# Altium PCB PCB1.PcbDoc (part 3 of 4)
Units mil, origin at the board's own origin, x right, y up, seen from the top; angles counter-clockwise.
Board outline 7874.02 x 4566.93 mil, 9 copper layers (HIGH_SPEED_TOP, GND PLANE1, LOW_SPEED, POWER_PLANE1, POWER_PLANE2, SIGNAL, Mid-Layer 11, GND_PLANE3, HIGH_SPEED_BOT), stack 76.99 mil thick; 510 components, 416 nets, 2438 pads, 24 vias.
Unrouted connection lines stored in the file: 1542.
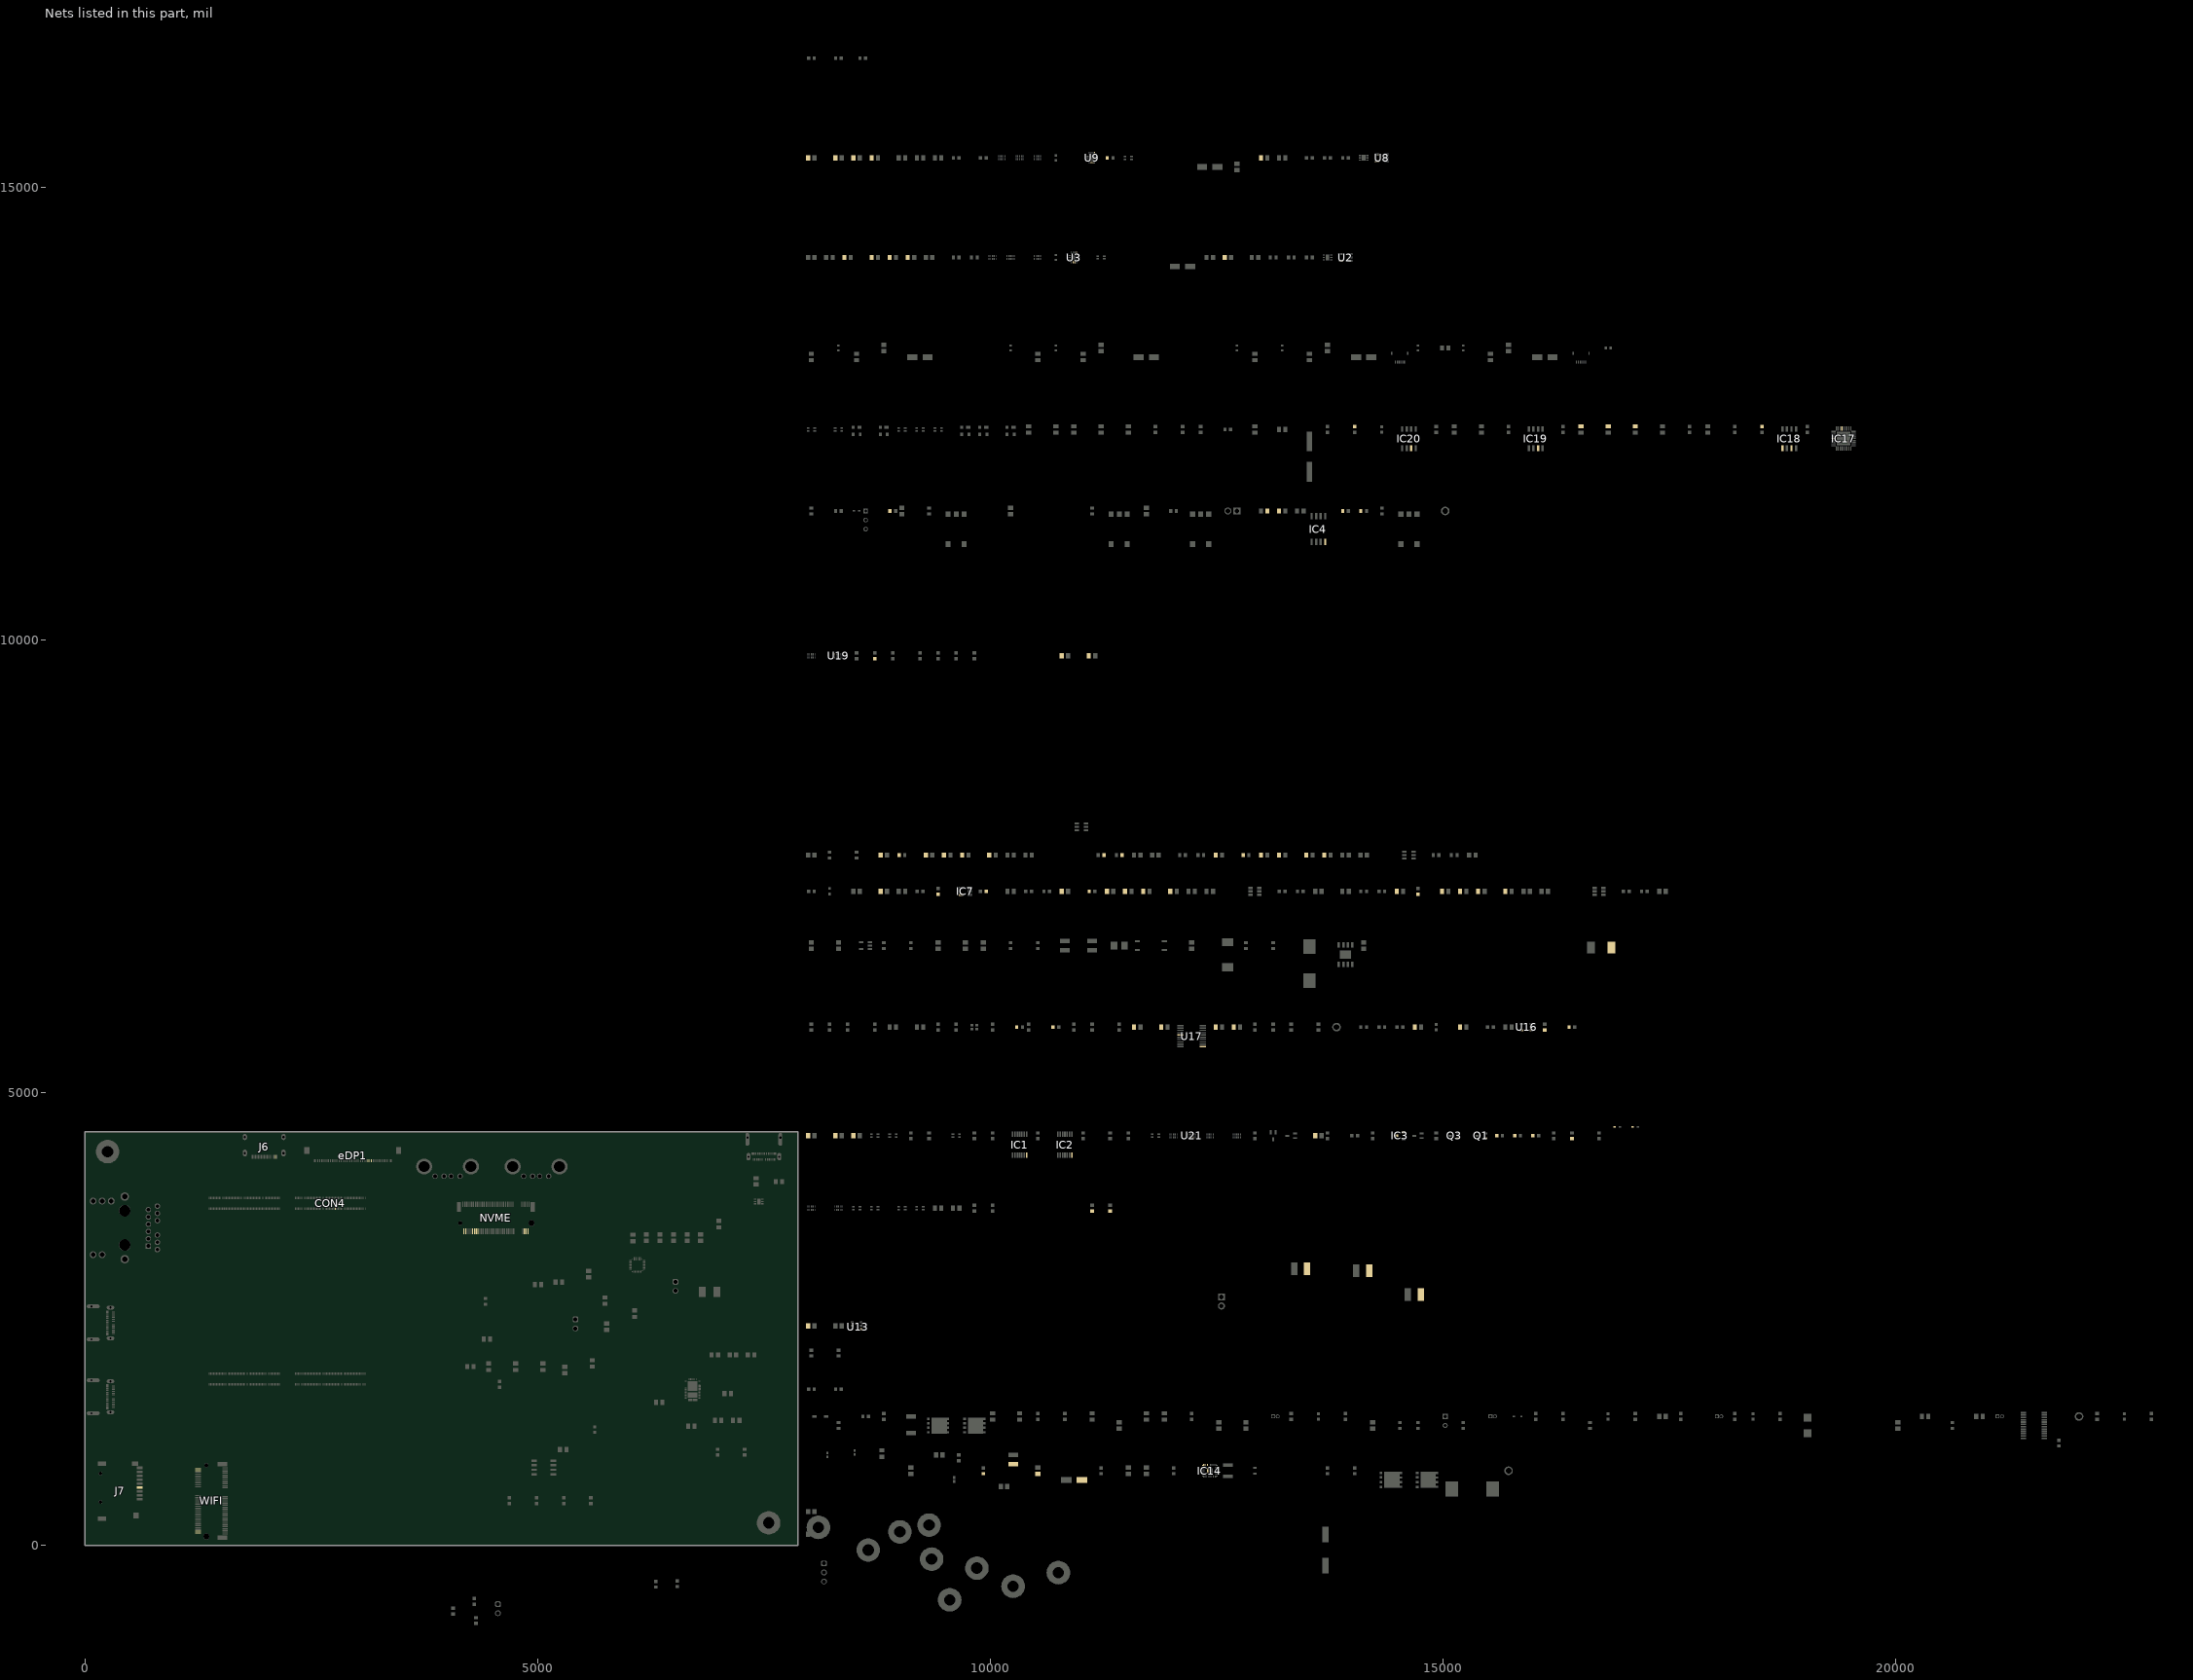
[diagram p10: the nets of this part, all layers, seen from the top]

## Part data (continued)
C147 C148: library part GRM32ER61A476KE20L, "Multilayer Ceramic Capacitor, 47 uF, 10 V, ï¿½ 10%, X5R, 1210 [3225 Metric]", Case Code (Imperial)=1210, Case Code (Metric)=3225, Dielectric=X5R, Manufacturer=Murata, Manufacturer_Name="Murata Electronics", Max Operating Temperature=85°C, Min Operating Temperature=-55°C, Mouser Part Number=81-GRM32ER61A476KE20, Package Quantity=1, Supplier Part Number=490-3887-1-ND, Tolerance=20%, Voltage=10V, Arrow Part Number=GRM32ER61A476KE20L, Arrow Price/Stock=https://www.arrow.com/en/products/grm32er61a476ke20l/murata-manufacturing?region=nac, Case/Package=1210, Category="Ceramic Capacitors", ComponentLink1Description=https://datasheet.ciiva.com/143/grm32er61a476ke20-01-143003.pdf?src-supplier=Digikey, ComponentLink1URL=https://datasheet.ciiva.com/143/grm32er61a476ke20-01-143003.pdf?src-supplier=Digikey, ComponentLink2Description=https://datasheet.ciiva.com/143/grm32er61a476ke20-01-143004.pdf?src-supplier=Digikey, ComponentLink2URL=https://datasheet.ciiva.com/143/grm32er61a476ke20-01-143004.pdf?src-supplier=Digikey, ComponentLink3Description=https://datasheet.ciiva.com/3778/1774grm32er61a476ke2023-3778403.pdf?src-supplier=Arrow+Electronics, ComponentLink3URL=https://datasheet.ciiva.com/3778/1774grm32er61a476ke2023-3778403.pdf?src-supplier=Arrow+Electronics, ComponentLink4Description=https://datasheet.ciiva.com/143/grm32er61a476ke20-01-143002.pdf?src-supplier=Digikey, ComponentLink4URL=https://datasheet.ciiva.com/143/grm32er61a476ke20-01-143002.pdf?src-supplier=Digikey, ComponentLink5Description=https://datasheet.ciiva.com/2989/product-2989812.pdf?src-supplier=Avnet, ComponentLink5URL=https://datasheet.ciiva.com/2989/product-2989812.pdf?src-supplier=Avnet, ComponentLink6Description=https://datasheet.ciiva.com/11606/product-11606490.pdf?src-supplier=Avnet, ComponentLink6URL=https://datasheet.ciiva.com/11606/product-11606490.pdf?src-supplier=Avnet, Construction=Flat, Datasheet Link=https://search.murata.co.jp/Ceramy/image/img/A01X/G101/ENG/GRM32ER61A476KE20-01A.pdf, Depth=2.5mm, Height=2.7mm, Lead Free="Lead Free", Length=3.2mm, Manufacturer Part Number=GRM32ER61A476KE20L, Manufacturer_Part_Number=GRM32ER61A476KE20L, Material=Ceramic, Mounting Technology="Surface Mount", Mouser Price/Stock=https://www.mouser.co.uk/ProductDetail/Murata-Electronics/GRM32ER61A476KE20L?qs=CHiu0TXTCq9PIq9fz1sbVg%3D%3D, Packaging="Tape and Reel", Pricing="1=1.59, 10=1.058, 100=0.7798 (USD)", Radiation Hardening=No, Reach SVHC Compliant=No, RoHS=Yes, RoHS Compliant=Yes, Series=GRM, Stock=48000, Supplier=Digikey, Termination=SMD/SMT, Thickness=0.106inch, Voltage Rating=10V, Voltage Rating (DC)=10V, Width=0.098inch
C150: library part C0805C222K3GECTU, "2.2nF ±10% 25V Ceramic Capacitor C0G, NP0 0805 (2012 Metric)", Manufacturer=KEMET, Mfr_Name=Kemet, Supplier Part Number=399-C0805C222K3GECTUCT-ND, Manufacturer Part Number=C0805C222K3GECTU, Pricing="1=0.2, 10=0.117, 100=0.0734, 1000=0.05087 (USD)", RoHS=Yes, RoHS Compliant=Yes, Stock=4796, Supplier=Digikey
C157: library part C0805C475K9RACTU, "4.7uF 6.3V X7R 10% Pad SMD 0805 125C T/R", Case Code (Imperial)=0805, Case Code (Metric)=2012, Dielectric Material=Ceramic, Manufacturer=KEMET, Max Operating Temperature=125°C, Min Operating Temperature=-55°C, Mouser Part Number=80-C0805C475K9R, Package Quantity=1, Supplier Part Number=399-C0805C475K9RACTUCT-ND, Tolerance=10%, Voltage Rating=6.3V, Arrow Part Number=C0805C475K9RACTU, Arrow Price/Stock=https://www.arrow.com/en/products/c0805c475k9ractu/kemet-corporation?region=nac, Case/Package=0805, Category="Ceramic Capacitors", ComponentLink1Description=https://datasheet.ciiva.com/5410/kem-c1002-x7r-smd-5410071.pdf?src-supplier=Mouser, ComponentLink1URL=https://datasheet.ciiva.com/5410/kem-c1002-x7r-smd-5410071.pdf?src-supplier=Mouser, Datasheet Link=https://content.kemet.com/datasheets/KEM_C1002_X7R_SMD.pdf, Height=1.1mm, Length=0.079inch, Manufacturer Part Number=C0805C475K9RACTU, Manufacturer_Name=KEMET, Manufacturer_Part_Number=C0805C475K9RACTU, Material=Ceramic, Mounting Technology="Surface Mount", Mouser Price/Stock=https://www.mouser.co.uk/ProductDetail/KEMET/C0805C475K9RACTU?qs=iP0bYSAMAFr1bFRzk5G%2Fsg%3D%3D, Packaging="Tape and Reel", Pricing="1=0.47, 10=0.287, 100=0.2342, 1000=0.19866 (USD)", RoHS=Yes, RoHS Compliant=Yes, Series=C, Stock=8898, Supplier=Digikey, Termination=SMD/SMT, Thickness=0.055inch, Voltage Rating (DC)=6.3V, Width=0.049inch
C161 C167: library part C0805C180K5RACTU, "18PF, 50V, Mlcc, 0805;", Case/Package=339Case, Dielectric=1511DielectricType, Dielectric Material=4241ConductorMaterial, Manufacturer=KEMET, Supplier Part Number=399-C0805C180K5RACTUCT-ND, Voltage Rating (DC)=50V, Category="Ceramic Capacitors", ComponentLink1Description=https://datasheet.octopart.com/C0805C180K5RACTU-KEMET-datasheet-149524058.pdf?src-supplier=Farnell, ComponentLink1URL=https://datasheet.octopart.com/C0805C180K5RACTU-KEMET-datasheet-149524058.pdf?src-supplier=Farnell, Datasheet Link=https://content.kemet.com/datasheets/KEM_C1002_X7R_SMD.pdf, Height=1.1mm, Manufacturer Part Number=C0805C180K5RACTU, Manufacturer_Name=KEMET, Manufacturer_Part_Number=C0805C180K5RACTU, Pricing="1=0.22, 10=0.124, 100=0.078, 1000=0.05429 (USD)", RoHS=Yes, RoHS Compliant=Yes, Stock=4917, Supplier=Digikey
CON1 CON2 CON3 CON4: library part DF40HC(3.0)-100DS-0.4V(51), "Stacking Board Connector, DF40 Series, Receptacle, 0.4 mm, 100, Surface Mount, G", Arrow Part Number=DF40HC(3.0)-100DS-0.4V(51, Contact Resistance=90mR, Contact Voltage Rating (AC)=30V, Current Rating=300mA, Housing Color=Black, Manufacturer=Hirose, Max Operating Temperature=85°C, Min Operating Temperature=-35°C, Mouser Part Number=798-DF40HC30100DS451, Package Quantity=3000, Supplier Part Number=26-DF40HC(3.0)-100DS-0.4V(51)CT-ND, Arrow Price/Stock=https://www.arrow.com/en/products/df40hc-3.0-100ds-0.4v-51/hirose-electric, Category="Headers and Wire Housings", ComponentLink1Description=https://datasheet.ciiva.com/13559/ed-df40-20140305-13559540.pdf?src-supplier=Mouser, ComponentLink1URL=https://datasheet.ciiva.com/13559/ed-df40-20140305-13559540.pdf?src-supplier=Mouser, Connector Type=Receptacle, Contact Material=Nickel,Gold, Contact Pitch=400um, Contact Plating=Gold, Contact Voltage Rating (DC)=30V, Datasheet Link=https://componentsearchengine.com/Datasheets/1/DF40HC(3.0)-100DS-0.4V(51.pdf, Height=3.05mm, Length=22.6mm, Manufacturer Part Number=DF40HC(3.0)-100DS-0.4V(51, Manufacturer_Name=Hirose, Manufacturer_Part_Number=DF40HC(3.0)-100DS-0.4V(51, Mated Stacking Heights=3mm, Mounting Technology="Surface Mount", Mouser Price/Stock=https://www.mouser.co.uk/ProductDetail/Hirose-Connector/DF40HC3.0-100DS-0.4V51?qs=%252BAZVS4b%2FkgIV%252B3vHYy2dCA%3D%3D, Number of Contacts=100, Number of Positions=100, Number of Rows=2, Orientation=Straight, Packaging="Tape and Reel", Pricing="1=2.61, 10=2.219, 25=2.0796, 50=1.9804, 100=1.8858, 250=1.76764, 500=1.68326, 1000=1.6524 (USD)", RoHS=Yes, Series=DF40, Stock=5604, Supplier=Digikey, Voltage Rating=30V, Width=3.38mm
D1 D2 D3: library part RB521S30T1G, "SCHOTTKY BARRIER DIODE Rectifier Diode, Schottky, 1 Phase, 1 Element, 0.2A, 30V V(RRM), Silicon", Average Rectified Current=200mA, Case/Package=SOD-523-2, Forward Voltage=500mV, Manufacturer="ON Semiconductor", Manufacturer_Name=onsemi, Max Forward Surge Current (Ifsm)=1A, Max Operating Temperature=125°C, Max Repetitive Reverse Voltage (Vrrm)=30V, Max Reverse Current=30uA, Min Operating Temperature=-55°C, Mouser Part Number=863-RB521S30T1G, Package Quantity=1, Power Dissipation=200mW, Supplier Part Number=RB521S30T1GOSCT-ND, Arrow Part Number=RB521S30T1G, Arrow Price/Stock=https://www.arrow.com/en/products/rb521s30t1g/on-semiconductor?region=europe, Category="Rectifier Diodes", ComponentLink1Description=https://datasheet.ciiva.com/915/rb521s30t1-d-915380.pdf?src-supplier=Digikey, ComponentLink1URL=https://datasheet.ciiva.com/915/rb521s30t1-d-915380.pdf?src-supplier=Digikey, ComponentLink2Description=https://datasheet.ciiva.com/30479/0900766b8127cb13-30479125.pdf?src-supplier=Rs, ComponentLink2URL=https://datasheet.ciiva.com/30479/0900766b8127cb13-30479125.pdf?src-supplier=Rs, ComponentLink3Description=https://datasheet.ciiva.com/34302/1188931-34302065.pdf?src-supplier=Jameco, ComponentLink3URL=https://datasheet.ciiva.com/34302/1188931-34302065.pdf?src-supplier=Jameco, ComponentLink4Description=https://datasheet.ciiva.com/1243/rb521s30t1-d-1243283.pdf?src-supplier=Newark, ComponentLink4URL=https://datasheet.ciiva.com/1243/rb521s30t1-d-1243283.pdf?src-supplier=Newark, ComponentLink5Description=https://datasheet.ciiva.com/915/rb521s30t1-d-915382.pdf?src-supplier=Digikey, ComponentLink5URL=https://datasheet.ciiva.com/915/rb521s30t1-d-915382.pdf?src-supplier=Digikey, ComponentLink6Description=https://datasheet.ciiva.com/16221/rb521s30t1-d-16221823.pdf?src-supplier=Future+Electronics, ComponentLink6URL=https://datasheet.ciiva.com/16221/rb521s30t1-d-16221823.pdf?src-supplier=Future+Electronics, Current Rating=200mA, Datasheet Link=https://www.onsemi.com/pub/Collateral/RB521S30T1-D.PDF, Element Configuration=Single, Forward Current=200mA, Height=0.7mm, Lead Free="Lead Free", Length=1.3mm, Manufacturer Part Number=RB521S30T1G, Manufacturer_Part_Number=RB521S30T1G, Max Reverse Leakage Current=30uA, Max Reverse Voltage (DC)=30V, Max Surge Current=1A, Mouser Price/Stock=https://www.mouser.co.uk/ProductDetail/onsemi/RB521S30T1G?qs=xZq1yRCsb1eKFKS8TVH%2Fqg%3D%3D, Output Current=200mA, Packaging="Tape and Reel", Peak Non-Repetitive Surge Current=1A, Pins=2, Polarity=Standard, Pricing="1=0.1, 10=0.065, 100=0.0546, 500=0.0395, 1000=0.0309 (USD)", Radiation Hardening=No, Reach SVHC Compliant=No, RoHS=Yes, RoHS Compliant=Yes, Series=-, Stock=15002, Supplier=Digikey, Voltage Rating (DC)=30V, Width=0.9mm
D4: "Rectifier Diode Small Signal Switching 0.25A 4ns 2-Pin SOD-323 T/R", Arrow Part Number="BAS316 RRG", Average Rectified Current=250mA, Manufacturer="Taiwan Semiconductor", Max Reverse Voltage (DC)=100V, Mouser Part Number=821-BAS316RRG, Supplier Part Number=BAS316RRGCT-ND, Arrow Price/Stock=https://www.arrow.com/en/products/bas316rrg/taiwan-semiconductor?region=europe, Category=Diodes, ComponentLink1Description=https://www.taiwansemi.com/assets/uploads/datasheet/BAS316_E1907.pdf?src-supplier=Digikey, ComponentLink1URL=https://www.taiwansemi.com/assets/uploads/datasheet/BAS316_E1907.pdf?src-supplier=Digikey, ComponentLink2Description=https://datasheet.octopart.com/BAS316-RRG-Taiwan-Semiconductor-datasheet-166558704.pdf?src-supplier=Future+Electronics, ComponentLink2URL=https://datasheet.octopart.com/BAS316-RRG-Taiwan-Semiconductor-datasheet-166558704.pdf?src-supplier=Future+Electronics, Datasheet Link=https://www.taiwansemi.com/assets/uploads/datasheet/BAS316_E1907.pdf, Height=1.1mm, Manufacturer Part Number="BAS316 RRG", Manufacturer_Name="Taiwan Semiconductor", Manufacturer_Part_Number="BAS316 RRG", Mounting Technology="Surface Mount", Mouser Price/Stock=https://www.mouser.co.uk/ProductDetail/Taiwan-Semiconductor/BAS316-RRG?qs=KwaGCOX4wIaA8PMRTc7F4Q%3D%3D, Packaging="Cut Tape", Pricing="1=0.11, 10=0.081, 100=0.0564, 500=0.04008, 1000=0.03198 (USD)", Reverse Recovery Time=4ns, RoHS=Yes, RoHS Compliant=Yes, Series=-, Stock=41621, Supplier=Digikey
D5: "TVS DIODE 26VWM 42.1VC SMB", Manufacturer_Name="Diodes Incorporated", Mouser Part Number=621-SMBJ26A-13-F, Arrow Part Number=SMBJ26A-13-F, Arrow Price/Stock=https://www.arrow.com/en/products/smbj26a-13-f/diodes-incorporated?region=nac, Datasheet Link=https://www.diodes.com/assets/Datasheets/ds19002.pdf, Height=2.5mm, Manufacturer_Part_Number=SMBJ26A-13-F, Mouser Price/Stock=https://www.mouser.co.uk/ProductDetail/Diodes-Incorporated/SMBJ26A-13-F?qs=gaDBXWSqsDCR7oWfjun1vA%3D%3D
D6: "Zener Diode 18 V 500 mW ±5% Surface Mount SOD-123", Manufacturer_Name="Multicomp Pro", Datasheet Link=https://componentsearchengine.com/Datasheets/2/MMSZ5248B-7-F.pdf, Height=1.15mm, Manufacturer_Part_Number=MMSZ5248B-7-F
D7: "Schottky Diode 40V 5A 2-Pin DO-214AB (SMC) CDBC540-G SMT", Average Rectified Current=5A, Case/Package=DO-214AB, Manufacturer=Comchip, Manufacturer_Name="Comchip Technology", Max Reverse Leakage Current=500uA, Max Reverse Voltage (DC)=40V, Max Surge Current=100A, Mouser Part Number=750-CDBC540-G, Package Quantity=3000, Supplier Part Number=641-1126-1-ND, Arrow Part Number=CDBC540-G, Arrow Price/Stock=https://www.arrow.com/en/products/cdbc540-g/comchip-technology?utm_currency=USD&region=nac, Category="Rectifier Diodes", ComponentLink1Description=https://datasheet.ciiva.com/914/cdbc520-gthru936981-cdbc5100-grevc-914747.pdf?src-supplier=Digikey, ComponentLink1URL=https://datasheet.ciiva.com/914/cdbc520-gthru936981-cdbc5100-grevc-914747.pdf?src-supplier=Digikey, ComponentLink2Description=https://datasheet.ciiva.com/914/cdbc520-gthru936981-cdbc5100-grevc-914748.pdf?src-supplier=Digikey, ComponentLink2URL=https://datasheet.ciiva.com/914/cdbc520-gthru936981-cdbc5100-grevc-914748.pdf?src-supplier=Digikey, ComponentLink3Description=https://datasheet.ciiva.com/914/cdbc520-gthru936981-cdbc5100-grevc-914749.pdf?src-supplier=Digikey, ComponentLink3URL=https://datasheet.ciiva.com/914/cdbc520-gthru936981-cdbc5100-grevc-914749.pdf?src-supplier=Digikey, Datasheet Link=https://eu.mouser.com/datasheet/2/80/CDBC520-HF_Thru195340._CDBC5100-HF_RevB-1480991.pdf, Height=2.9mm, Manufacturer Part Number=CDBC540-G, Manufacturer_Part_Number=CDBC540-G, Mounting Technology="Surface Mount", Mouser Price/Stock=https://www.mouser.co.uk/ProductDetail/Comchip-Technology/CDBC540-G?qs=tw%252BuQ%2FB6PO2ExpPYY64Vzw%3D%3D, Packaging="Tape and Reel", Pins=2, Pricing="1=0.67, 10=0.526, 100=0.4172, 500=0.32184, 1000=0.2911 (USD)", RoHS=Yes, RoHS Compliant=Yes, Series=-, Stock=176247, Supplier=Digikey
eDP1: "Conn Wire to Board RCP 40 POS 0.5mm Solder RA Side Entry SMDCABLINE® T/R", Manufacturer=I-PEX, Package=None, Supplier Part Number=5378-20455-040E-76CT-ND, Availability=Unavailable, Category="FFC / FPC", ComponentLink1Description=https://datasheet.octopart.com/20455-040E-76-I-PEX-datasheet-154856138.pdf?src-supplier=Future+Electronics, ComponentLink1URL=https://datasheet.octopart.com/20455-040E-76-I-PEX-datasheet-154856138.pdf?src-supplier=Future+Electronics, ComponentLink2Description=http://datasheet.octopart.com/20455-040E-76-I-PEX-datasheet-154856138.pdf?src-supplier=Quest, ComponentLink2URL=http://datasheet.octopart.com/20455-040E-76-I-PEX-datasheet-154856138.pdf?src-supplier=Quest, Manufacturer Part Number=20455-040E-76, MP=20455-040E-76, Price=None, Pricing="1=2.21, 10=1.878, 25=1.7604, 50=1.6764, 100=1.5962, 250=1.49624, 500=1.4248, 1000=1.377 (USD)", RoHS=No, RoHS Compliant=No, Stock=7447, Supplier=Digikey
ETH1: "Modular Connectors / Ethernet Connectors 1x1 2.5GBT MagJack", Color=Green,Orange,Yellow, Manufacturer=Bel, Max Operating Temperature=70°C, Min Operating Temperature=0°C, Package=None, Supplier Part Number=5923-L829-1J1T-JM-ND, Category="Modular / Ethernet Connectors", ComponentLink1Description=https://media.digikey.com/pdf/Data%20Sheets/Bel%20Fuse%20PDFs/L829-1J1T-JM_Prelim.pdf?src-supplier=Digikey, ComponentLink1URL=https://media.digikey.com/pdf/Data%20Sheets/Bel%20Fuse%20PDFs/L829-1J1T-JM_Prelim.pdf?src-supplier=Digikey, ComponentLink2Description=https://datasheet.octopart.com/L829-1J1T-JM-Bel-Fuse-datasheet-182766988.pdf?src-supplier=Sager+Electronics, ComponentLink2URL=https://datasheet.octopart.com/L829-1J1T-JM-Bel-Fuse-datasheet-182766988.pdf?src-supplier=Sager+Electronics, Connector Type=RJ45, Contact Plating=Gold, Digi-Key_Part_Number=507-2068-ND, DigiKey-Purchase-URL=https://snapeda.com/shop?store=DigiKey&id=2758678, Direction=Up, Housing Material=Nylon, Manufacturer Part Number=L829-1J1T-JM, MF="Bel Magnetic Solutions", Mounting Technology="Through Hole,Edge,Board", MP=L829-1J1T-JM, Number of Cores per Jack=4, Number of Ports=1, Number of Rows=1, Packaging=Tray, Pins=8NUMBER, Pricing="1=6.03, 10=5.128, 25=4.8064, 50=4.5768, 100=4.3583, 250=4.08544, 660=3.81512, 1320=3.6332, 2640=3.46002 (USD)", RoHS=No, Series=MagJack®, Shielding=Shielded, SnapEDA_Link=https://www.snapeda.com/parts/L829-1J1T-JM/Bel%20Magnetic%20Solutions/view-part/2758678/?ref=snap, Stock=1135, Supplier=Digikey, Termination=Solder
FB1 FB2 FB3 FB4 FB5 FB6 FB7 FB8 FB9 FB10: library part BLM18EG221SN1D, "Ferrite Beads Multi-Layer 220Ohm 25% 100MHz 2A 50mOhm DCR 0603 Paper T/R", Case Code (Imperial)=0603, Case Code (Metric)=1608, Current Rating=2A, DC Resistance (DCR)=50mR, Frequency=100MHz, Manufacturer=Murata, Manufacturer_Name="Murata Electronics", Max Operating Temperature=125°C, Min Operating Temperature=-55°C, Mouser Part Number=81-BLM18EG221SN1D, Package Quantity=1, Supplier Part Number=490-3992-1-ND, Tolerance=25%, Arrow Part Number=BLM18EG221SN1D, Arrow Price/Stock=https://www.arrow.com/en/products/blm18eg221sn1d/murata-manufacturing?utm_currency=USD&region=nac, Case/Package=0603, Category="Ferrite Beads and Chips", ComponentLink1Description=https://datasheet.ciiva.com/11799/0900766b811b5866-11799010.pdf?src-supplier=Rs, ComponentLink1URL=https://datasheet.ciiva.com/11799/0900766b811b5866-11799010.pdf?src-supplier=Rs, ComponentLink2Description=https://datasheet.ciiva.com/41449/001171699-da-01-en-chip-drossel0603-220r-2000ma-1-6x0-8mm-41449376.pdf?src-supplier=Conrad, ComponentLink2URL=https://datasheet.ciiva.com/41449/001171699-da-01-en-chip-drossel0603-220r-2000ma-1-6x0-8mm-41449376.pdf?src-supplier=Conrad, ComponentLink3Description=https://datasheet.ciiva.com/41449/001172265-da-01-en-drossel-0603-220r-1-6x0-8mm-4000st-41449579.pdf?src-supplier=Conrad, ComponentLink3URL=https://datasheet.ciiva.com/41449/001172265-da-01-en-drossel-0603-220r-1-6x0-8mm-4000st-41449579.pdf?src-supplier=Conrad, ComponentLink4Description=https://datasheet.ciiva.com/1012/l0110s0101blm18e-1012872.pdf?src-supplier=Digikey, ComponentLink4URL=https://datasheet.ciiva.com/1012/l0110s0101blm18e-1012872.pdf?src-supplier=Digikey, ComponentLink5Description=https://datasheet.ciiva.com/1012/l0110s0101blm18e-1012873.pdf?src-supplier=Digikey, ComponentLink5URL=https://datasheet.ciiva.com/1012/l0110s0101blm18e-1012873.pdf?src-supplier=Digikey, ComponentLink6Description=https://datasheet.ciiva.com/1012/l0110s0101blm18e-1012874.pdf?src-supplier=Digikey, ComponentLink6URL=https://datasheet.ciiva.com/1012/l0110s0101blm18e-1012874.pdf?src-supplier=Digikey, ComponentLink7Description=https://datasheet.ciiva.com/14122/blm-series-eng-tds-14122908.pdf?src-supplier=Distrelec, ComponentLink7URL=https://datasheet.ciiva.com/14122/blm-series-eng-tds-14122908.pdf?src-supplier=Distrelec, ComponentLink8Description=https://datasheet.ciiva.com/1467/5169-1467157.pdf?src-supplier=Element14, ComponentLink8URL=https://datasheet.ciiva.com/1467/5169-1467157.pdf?src-supplier=Element14, ComponentLink9Description=https://datasheet.ciiva.com/1467/5169-1467158.pdf?src-supplier=Element14, ComponentLink9URL=https://datasheet.ciiva.com/1467/5169-1467158.pdf?src-supplier=Element14, ComponentLink10Description=https://datasheet.ciiva.com/8510/l0110s0101blm18e-8510140.pdf?src-supplier=Avnet, ComponentLink10URL=https://datasheet.ciiva.com/8510/l0110s0101blm18e-8510140.pdf?src-supplier=Avnet, ComponentLink11Description=https://datasheet.ciiva.com/16419/l0110s0101blm18e-16419148.pdf?src-supplier=Future+Electronics, ComponentLink11URL=https://datasheet.ciiva.com/16419/l0110s0101blm18e-16419148.pdf?src-supplier=Future+Electronics, Core Material=Ferrite, Datasheet Link=http://www.murata.com/~/media/webrenewal/support/library/catalog/products/emc/emifil/c31e.ashx?la=en-gb, DC Current=2A, DC Resistance-Max=50mR, Depth=0.8mm, ESR=50mR, Height=0.95mm, Impedance=220R, Lead Free="Lead Free", Length=1.6mm, Manufacturer Part Number=BLM18EG221SN1D, Manufacturer_Part_Number=BLM18EG221SN1D, Material=Steel,Ferrite, Max Current Rating=2A, Max DC Current=2A, Military Standard=Not, Mouser Price/Stock=https://www.mouser.co.uk/ProductDetail/Murata-Electronics/BLM18EG221SN1D?qs=uSeJpk%2F8In2DDeSj2a4KGA%3D%3D, Number of Circuits=1NUMBER, Number of Lines=1, Packaging="Tape and Reel", Pins=2, Pricing="1=0.24, 10=0.167, 25=0.1444, 50=0.1292, 100=0.1154, 250=0.09864, 500=0.08708, 1000=0.07636 (USD)", Radiation Hardening=No, Reach SVHC Compliant=No, RMS Current (Irms)=2A, RoHS=Yes, RoHS Compliant=Yes, Series=BLM18E, Stock=133283, Supplier=Digikey, Termination=SMD/SMT, Test Frequency=100MHz, Width=0.8mm
IC1 IC2: "5-V, 1: 1 (SPST), 4-channel analog switch with powered-off protection & 1.8-V input logic 14-TSSOP -40 to 125", Manufacturer="Texas Instruments", Mouser Part Number=595-TMUX1511PWR, Supplier Part Number=296-53442-1-ND, Arrow Part Number=TMUX1511PWR, Arrow Price/Stock=https://www.arrow.com/en/products/tmux1511pwr/texas-instruments?utm_currency=USD&region=nac, Category="Interface ICs", ComponentLink1Description=http://www.ti.com/general/docs/suppproductinfo.tsp?distId=10&amp;gotoUrl=http%3A%2F%2Fwww.ti.com%2Flit%2Fgpn%2Ftmux1511&src-supplier=Digikey, ComponentLink1URL=http://www.ti.com/general/docs/suppproductinfo.tsp?distId=10&amp;gotoUrl=http%3A%2F%2Fwww.ti.com%2Flit%2Fgpn%2Ftmux1511&src-supplier=Digikey, Datasheet Link=http://www.ti.com/lit/ds/symlink/tmux1511.pdf, Height=1.2mm, Manufacturer Part Number=TMUX1511PWR, Manufacturer_Name="Texas Instruments", Manufacturer_Part_Number=TMUX1511PWR, Mouser Price/Stock=https://www.mouser.co.uk/ProductDetail/Texas-Instruments/TMUX1511PWR?qs=qSfuJ%252Bfl%2Fd5zYDGvtvg4tg%3D%3D, Pricing="1=0.39, 10=0.272, 25=0.242, 100=0.2093, 250=0.19364, 500=0.1842, 1000=0.17643 (USD)", RoHS=Yes, RoHS Compliant=Yes, Stock=15687, Supplier=Digikey
IC3: "USB Power Switch Single 5.2V 0.4A 3-Pin SOT-23 T/R", Case/Package=TO-236-3, Manufacturer=Diodes, Manufacturer_Name="Diodes Incorporated", Max Operating Temperature=85°C, Min Operating Temperature=-40°C, Mouser Part Number=621-AP2331TDSA-7, Output Current=200mA, Supplier Part Number=AP2331TDSA-7DICT-ND, Arrow Part Number=AP2331TDSA-7, Arrow Price/Stock=https://www.arrow.com/en/products/ap2331tdsa-7/diodes-incorporated?region=nac, Category="USB Interface ICs", ComponentLink1Description=https://www.diodes.com/assets/Datasheets/AP2331TD.pdf?src-supplier=Digikey, ComponentLink1URL=https://www.diodes.com/assets/Datasheets/AP2331TD.pdf?src-supplier=Digikey, ComponentLink2Description=https://datasheet.octopart.com/AP2331TDSA-7-Diodes-Inc.-datasheet-150576120.pdf?src-supplier=SHENGYU+ELECTRONICS, ComponentLink2URL=https://datasheet.octopart.com/AP2331TDSA-7-Diodes-Inc.-datasheet-150576120.pdf?src-supplier=SHENGYU+ELECTRONICS, Datasheet Link=https://www.diodes.com//assets/Datasheets/AP2331TD.pdf, Height=1.1mm, Manufacturer Part Number=AP2331TDSA-7, Manufacturer_Part_Number=AP2331TDSA-7, Mounting Technology="Surface Mount", Mouser Price/Stock=https://www.mouser.co.uk/ProductDetail/Diodes-Incorporated/AP2331TDSA-7?qs=W0yvOO0ixfEfFxPGIHJ0Tw%3D%3D, Number of Channels=1NUMBER, Packaging="Cut Tape", Pricing="1=0.57, 10=0.339, 25=0.2784, 100=0.2098, 250=0.176, 500=0.1552, 1000=0.13777 (USD)", RoHS=Yes, RoHS Compliant=Yes, Series=-, Stock=6292, Supplier=Digikey
IC4: "FLASH - NOR Memory IC 8Mb (1M x 8) SPI - Quad I/O 108 MHz 8-SOIC", Case/Package=SOP, Clock Frequency=108MHz, Manufacturer=Renesas, Manufacturer_Name="Adesto Technologies", Max Operating Temperature=85°C, Max Supply Current=16mA, Max Supply Voltage=3.6V, Min Operating Temperature=-40°C, Min Supply Voltage=2.7V, Mouser Part Number=988-AT25SF081B-SHB-T, Nominal Supply Voltage=3V, Operating Mode=SYNCHRONOUS, Package Body Material=Plastic, Package Equivalence Code=SOP8,.3, Package Shape=Rectangular, Standby Current-Max=30uA, Supplier Part Number=1265-AT25SF081B-SHB-TCT-ND, Temperature Grade=INDUSTRIAL, Category=Memory, Channels=1, Data Retention Time-Min=20, Datasheet Link=https://eu.mouser.com/datasheet/2/590/at25sf081b-1888118.pdf, Density=8388608b, Endurance=100000Cycles, Height=2.16mm, Height - Seated (Max)=2.16mm, JESD-30 Code=R-PDSO-G8, Length=5.29mm, Manufacturer Part Number=AT25SF081B-SHB-T, Manufacturer_Part_Number=AT25SF081B-SHB-T, Memory Format=FLASH, Memory Width=8, Moisture Sensitivity Level=1, Mouser Price/Stock=https://www.mouser.co.uk/ProductDetail/Adesto-Technologies/AT25SF081B-SHB-T?qs=wnTfsH77Xs46OZOQzObQdg%3D%3D, Number of Words Code=1M, Output Characteristics=3-STATE, Parallel/Serial=SERIAL, Pins=8, Pricing="1=0.45, 10=0.42, 25=0.4088, 50=0.4004, 100=0.3918, 250=0.38028, 500=0.37154, 1000=0.3628 (USD)", Programming Voltage=3V, Reach SVHC Compliant=No, RoHS=Yes, RoHS Compliant=Yes, Serial Bus Type=QSPI, Stock=39721, Supplier=Digikey, Surface Mount=Yes, Technology=CMOS, Terminal Form="Gull Wing", Terminal Pitch=1.27mm, Terminal Position=DUAL, Type="NOR TYPE", Width=5.24mm, Write Protection=HARDWARE/SOFTWARE
IC5 IC6 IC8 IC9: "IC REG BUCK ADJ 4A SOT23 \"Buck Switching Regulator IC Positive Adjustable 0.76V 1 Output 4A SOT-23-6 Thin, TSOT-23-6\"", Case/Package=SOT-23-6, Manufacturer="Texas Instruments", Max Operating Temperature=125°C, Max Output Voltage=7V, Max Supply Voltage=17V, Min Input Voltage=4.5V, Min Operating Temperature=-40°C, Min Output Voltage=760mV, Mouser Part Number=595-TPS564201DDCR, Output Current=4A, Quiescent Current=400uA, Supplier Part Number=296-47373-1-ND, Switching Frequency=560kHz, Arrow Part Number=TPS564201DDCR, Arrow Price/Stock=https://www.arrow.com/en/products/tps564201ddcr/texas-instruments?region=nac, Category="Voltage Regulators - Switching", ComponentLink1Description=http://www.ti.com/lit/ds/symlink/tps564201.pdf?src-supplier=Digikey, ComponentLink1URL=http://www.ti.com/lit/ds/symlink/tps564201.pdf?src-supplier=Digikey, ComponentLink2Description=http://www.ti.com/general/docs/suppproductinfo.tsp?distId=10&amp;gotoUrl=http%3A%2F%2Fwww.ti.com%2Flit%2Fgpn%2Ftps564201&src-supplier=Digikey, ComponentLink2URL=http://www.ti.com/general/docs/suppproductinfo.tsp?distId=10&amp;gotoUrl=http%3A%2F%2Fwww.ti.com%2Flit%2Fgpn%2Ftps564201&src-supplier=Digikey, Datasheet Link=http://www.ti.com/lit/gpn/tps564201, Height=1.1mm, Lead Free="Lead Free", Length=2.9mm, Manufacturer Part Number=TPS564201DDCR, Manufacturer_Name="Texas Instruments", Manufacturer_Part_Number=TPS564201DDCR, Mounting Technology="Surface Mount", Mouser Price/Stock=https://www.mouser.co.uk/ProductDetail/Texas-Instruments/TPS564201DDCR?qs=zEmsApcVOkUKQpyzRnH%2FcQ%3D%3D, Number of Channels=1, Number of Outputs=1, Output Configuration=Positive, Output Type=Adjustable, Packaging="Cut Tape", Pins=6, RoHS=Yes, RoHS Compliant=Yes, Series=D-CAP2™, Supplier=Digikey, Synchronous Rectifier=Yes, Thickness=870um, Width=1.6mm
IC7: "Linear Voltage Regulator IC Positive Fixed 1.8V Output 300mA SOT-23-5", Manufacturer_Name=RICHTEK, Mouser Part Number=835-RT9193-18GB, Datasheet Link=http://www.richtek.com/assets/product_file/RT9193/DS9193-17.pdf, Height=1.295mm, Manufacturer_Part_Number=RT9193-18GB, Mouser Price/Stock=https://www.mouser.co.uk/ProductDetail/Richtek/RT9193-18GB?qs=amGC7iS6iy%2Fw9hCsuPB4cg%3D%3D
IC12: "/Polymer 3~5 TSSOP-24 Battery Management ICs ROHS", Case/Package=TSSOP, Manufacturer="Texas Instruments", Max Operating Temperature=85°C, Max Supply Voltage=25V, Min Operating Temperature=-40°C, Min Supply Voltage=3V, Mouser Part Number=595-BQ7791501PWR, Output Voltage=16V, Supplier Part Number=296-BQ7791501PWRCT-ND, Arrow Part Number=BQ7791501PWR, Arrow Price/Stock=null?region=nac, Category="Battery Management", ComponentLink1Description=http://www.ti.com/general/docs/suppproductinfo.tsp?distId=10&amp;gotoUrl=http%3A%2F%2Fwww.ti.com%2Flit%2Fgpn%2Fbq77915&src-supplier=Digikey, ComponentLink1URL=http://www.ti.com/general/docs/suppproductinfo.tsp?distId=10&amp;gotoUrl=http%3A%2F%2Fwww.ti.com%2Flit%2Fgpn%2Fbq77915&src-supplier=Digikey, Datasheet Link=https://www.ti.com/lit/gpn/BQ77915, Fault Protection="Over Current,Over Temperature,Short Circuit,Over/Under Voltage", Height=1.2mm, Length=7.8mm, Manufacturer Part Number=BQ7791501PWR, Manufacturer_Name="Texas Instruments", Manufacturer_Part_Number=BQ7791501PWR, Mounting Technology="Surface Mount", Mouser Price/Stock=https://www.mouser.co.uk/ProductDetail/Texas-Instruments/BQ7791501PWR?qs=B6kkDfuK7%2FBYqAWOM%2FFUaQ%3D%3D, Number of Cells=5, Number of Outputs=1, Pins=24, Pricing="1=1.62, 10=1.183, 25=1.0748, 100=0.9555, 250=0.89868, 500=0.86442, 1000=0.83623 (USD)", RoHS=Yes, Series=-, Stock=5538, Supplier=Digikey, Thickness=1mm, Width=4.4mm
IC14: "36-V, 16-A buck-boost converter 26-VQFN-HR -40 to 125", Manufacturer="Texas Instruments", Mouser Part Number=595-TPS552882RPMR, Supplier Part Number=296-TPS552882RPMRCT-ND, Arrow Part Number=TPS552882RPMR, Arrow Price/Stock=https://www.arrow.com/en/products/tps552882rpmr/texas-instruments?utm_currency=USD&region=nac, Category="Voltage Regulators - Switching", Datasheet Link=https://www.ti.com/lit/gpn/TPS552882, Height=1mm, Manufacturer Part Number=TPS552882RPMR, Manufacturer_Name="Texas Instruments", Manufacturer_Part_Number=TPS552882RPMR, Mouser Price/Stock=https://www.mouser.co.uk/ProductDetail/Texas-Instruments/TPS552882RPMR?qs=81r%252BiQLm7BSBLProFZmPCQ%3D%3D, Pricing="1=6.03, 10=4.623, 25=4.2716, 100=3.8854, 250=3.70124, 500=3.59024, 1000=3.49889 (USD)", RoHS=Yes, Stock=2434, Supplier=Digikey
IC15: "Buck Switching Regulator IC Positive Adjustable 0.8V 1 Output 5A 8-PowerSOIC (0.154\", 3.90mm Width)", Manufacturer_Name="Texas Instruments", Mouser Part Number=595-TPS54531DDA, Arrow Part Number=TPS54531DDA, Arrow Price/Stock=https://www.arrow.com/en/products/tps54531dda/texas-instruments?utm_currency=USD&region=nac, Datasheet Link=http://www.ti.com/lit/gpn/tps54531, Height=1.7mm, Manufacturer_Part_Number=TPS54531DDA, Mouser Price/Stock=https://www.mouser.co.uk/ProductDetail/Texas-Instruments/TPS54531DDA?qs=jA5Ki6243omoJVKISZs%2FBg%3D%3D
IC16: "500mA high-PSRR low-IQ low-dropout voltage regulator with enable 5-SOT-23 -40 to 125", Case/Package=SOT-23-5, Manufacturer="Texas Instruments", Max Operating Temperature=125°C, Max Supply Voltage=5.5V, Min Operating Temperature=-40°C, Min Output Voltage=3.3V, Min Supply Voltage=1.45V, Mouser Part Number=595-TLV75533PDBVR, Output Current=500mA, Power Supply Rejection Ratio (PSRR)=52dB, Quiescent Current=31uA, Supplier Part Number=296-50411-1-ND, Accuracy=1%, Arrow Part Number=TLV75533PDBVR, Arrow Price/Stock=https://www.arrow.com/en/products/tlv75533pdbvr/texas-instruments?utm_currency=USD&region=europe, Category="Voltage Regulators - Linear", ComponentLink1Description=http://www.ti.com/lit/ds/symlink/tlv755p.pdf?src-supplier=Digikey, ComponentLink1URL=http://www.ti.com/lit/ds/symlink/tlv755p.pdf?src-supplier=Digikey, ComponentLink2Description=http://www.ti.com/general/docs/suppproductinfo.tsp?distId=10&amp;gotoUrl=http%3A%2F%2Fwww.ti.com%2Flit%2Fgpn%2Ftlv755p&src-supplier=Digikey, ComponentLink2URL=http://www.ti.com/general/docs/suppproductinfo.tsp?distId=10&amp;gotoUrl=http%3A%2F%2Fwww.ti.com%2Flit%2Fgpn%2Ftlv755p&src-supplier=Digikey, Datasheet Link=http://www.ti.com/lit/gpn/tlv755p, Height=1.45mm, Length=2.9mm, Manufacturer Part Number=TLV75533PDBVR, Manufacturer_Name="Texas Instruments", Manufacturer_Part_Number=TLV75533PDBVR, Mounting Technology="Surface Mount", Mouser Price/Stock=https://www.mouser.co.uk/ProductDetail/Texas-Instruments/TLV75533PDBVR?qs=55YtniHzbhAKEwqeO2xJXQ%3D%3D, Number of Channels=1NUMBER, Number of Outputs=1NUMBER, Number of Regulators=1, Output Configuration=Positive, Output Type=Fixed, Output Voltage=3.3V, Packaging="Cut Tape", Pins=5NUMBER, Pricing="1=0.32, 10=0.218, 25=0.1936, 100=0.1665, 250=0.15364, 500=0.1459, 1000=0.13951 (USD)", RoHS=Yes, RoHS Compliant=Yes, Series=-, Stock=14166, Supplier=Digikey, Thickness=1.2mm, Width=1.6mm